# Altium PCB PCB1.PcbDoc
Units mil, origin at the board's own origin, x right, y up, seen from the top; angles counter-clockwise.
Board outline 3937 x 3937.01 mil, 4 copper layers (Top Layer, GND_02, PWR_03, Bottom Layer), stack 23.756 mil thick; 235 components, 114 nets, 583 pads, 0 vias.
Unrouted connection lines stored in the file: 454.
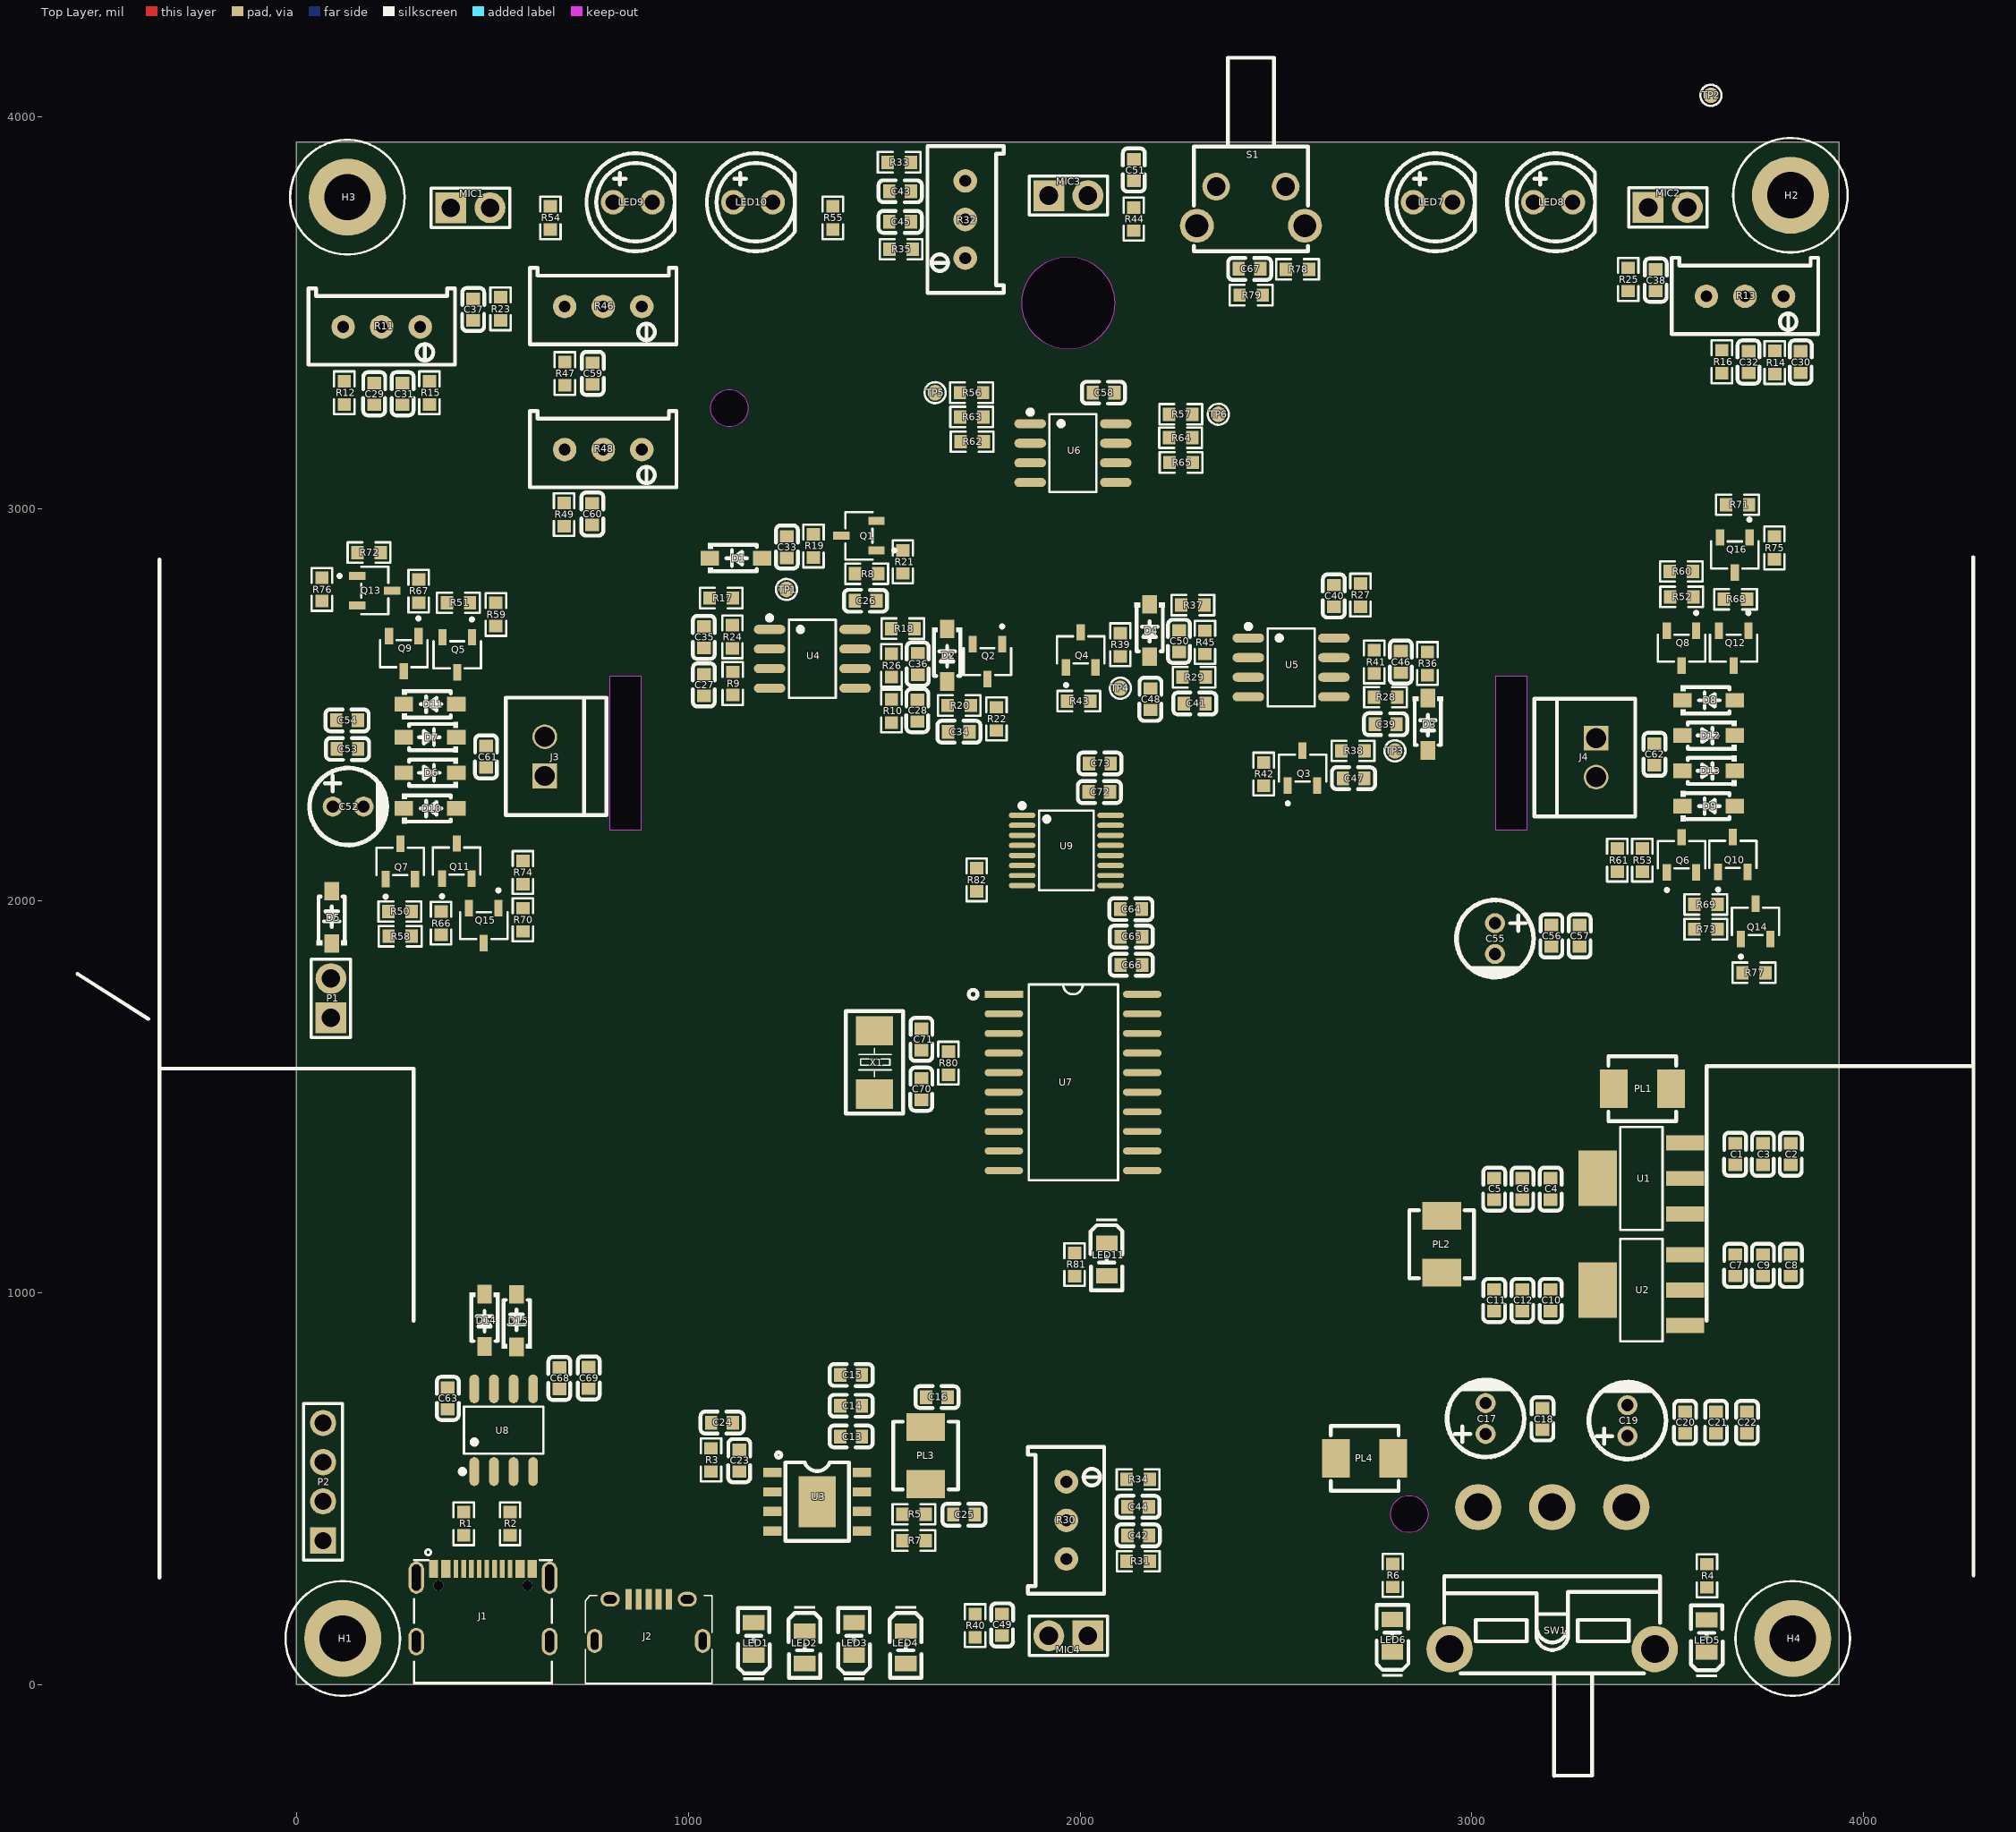
[diagram p0: Top Layer view]
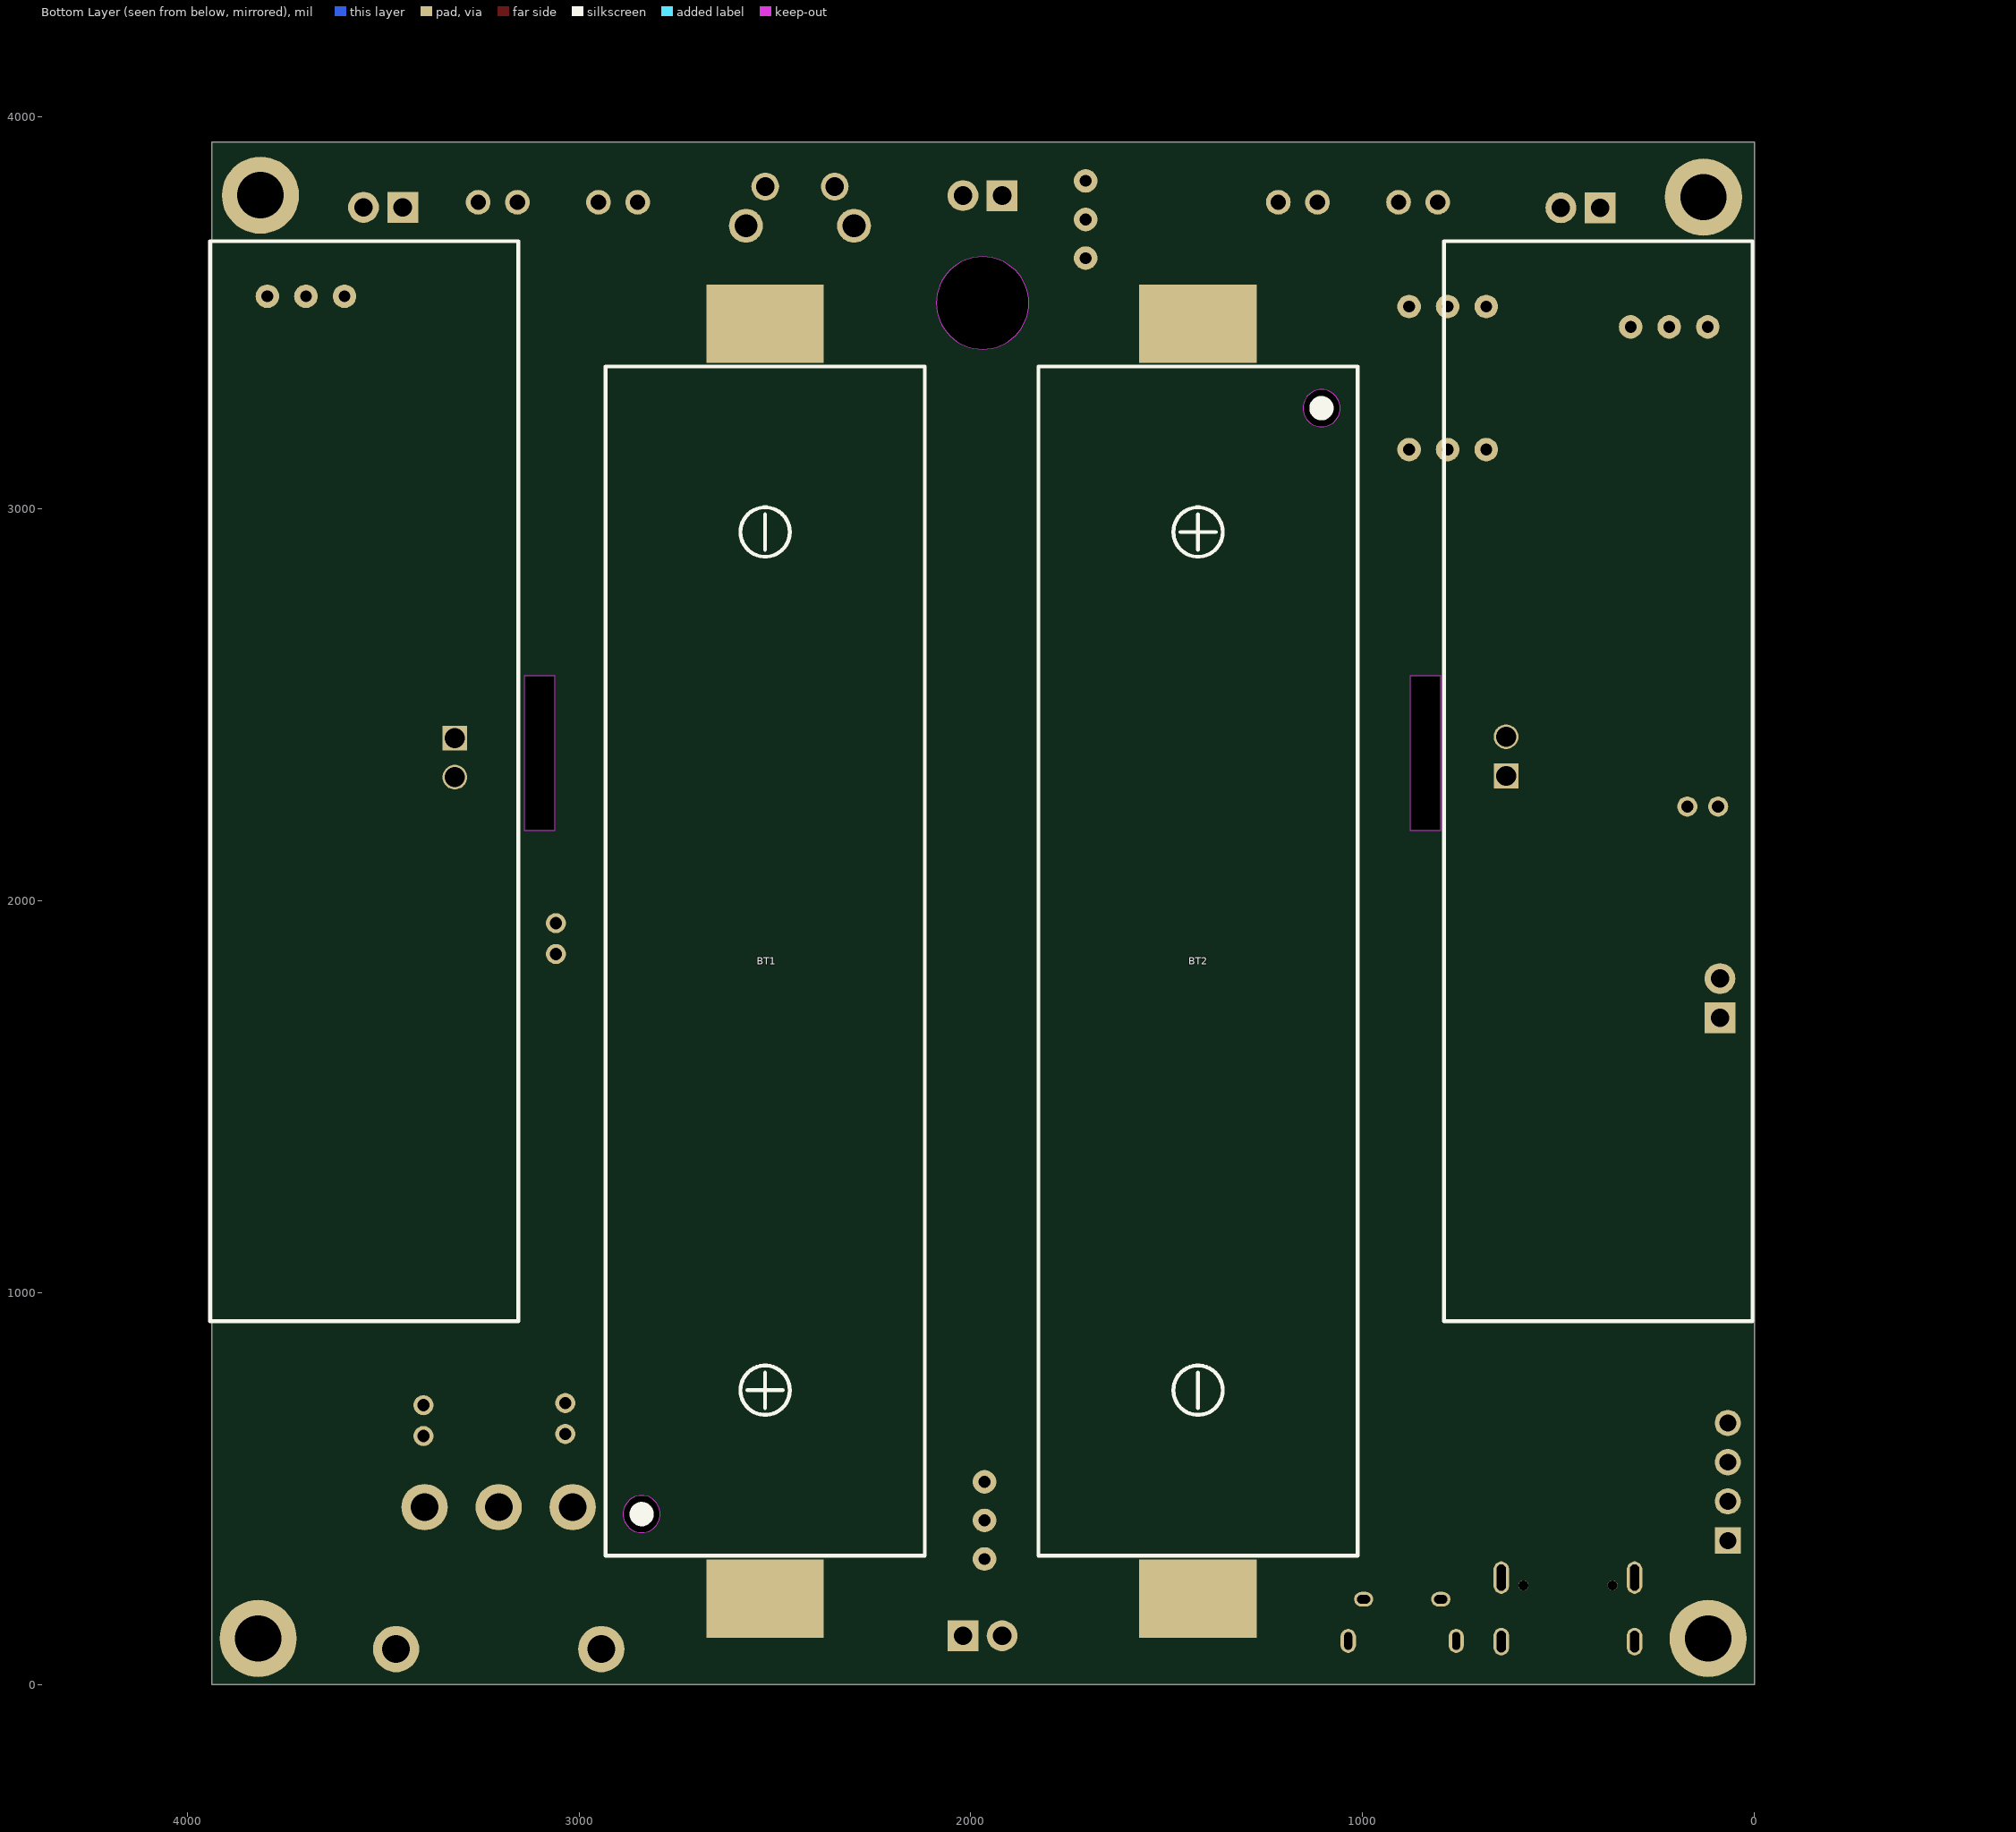
[diagram p1: Bottom Layer view, seen from below]

## Layer stack, top to bottom
Top Solder: solder mask 0.4, Solder Resist, Dk 3.5
Top Layer: signal copper 1.4
Dielectric 2: prepreg 2.8, PP-006, Dk 4.1
GND_02: signal copper 1.378
Dielectric 3: prepreg 2.8, PP-006, Dk 4.1
PWR_03: signal copper 1.378
Dielectric 1: dielectric 12.6, FR-4, Dk 4.8
Bottom Layer: signal copper 1.4
Bottom Solder: solder mask 0.4, Solder Resist, Dk 3.5

## Board outline
0,0 0,3937.01 3937,3937.01 3937,0
cut-out: 1970,3407.89 cw(c1970,3526) 1851.89,3526 cw(c1970,3526) 1970,3644.11 cw(c1970,3526) 2088.11,3526 cw(c1970,3526)
cut-out: 3061.56,2180.15 3061.56,2573.85 3140.3,2573.85 3140.3,2180.15
cut-out: 800.56,2180.15 800.56,2573.85 879.3,2573.85 879.3,2180.15

## Design rules (kind name [scope] priority, off if disabled: settings)
Clearance [All] p1: gap=10 ignorepadtopadclearanceinfootprint=TRUE except(0: Arc-Hole Track-Hole SMDPad-Hole THPad-Hole Via-Hole Fill-Hole Poly-Hole Region-Hole Text-Hole)
DiffPairsRouting [All] p1: maxlimit=10 minlimit=10 mostfreqgap=10 toplayer_minwidth=15 toplayer_maxwidth=15 toplayer_prefwidth=15 midlayer1_minwidth=15 midlayer1_maxwidth=15 midlayer1_prefwidth=15 midlayer2_minwidth=15 midlayer2_maxwidth=15 midlayer2_prefwidth=15 bottomlayer_minwidth=15 bottomlayer_maxwidth=15 bottomlayer_prefwidth=15 maxuncoupledlength=500
PolygonConnect [All] p1: connectstyle=Relief reliefconductorwidth=10 reliefentries=4 polygonreliefangle="90 Angle" airgapwidth=10
RoutingVias [All] p1: holewidth=28 width=50 viastyle="Through Hole" minholewidth=28 minwidth=50 maxholewidth=28 maxwidth=50
SolderMaskExpansion [All] p1: expansion=4 istentingtop=FALSE
Width [All] p1: maxlimit=10 minlimit=10 preferedwidth=10
29 further rules are at their usual default settings.

## Classes and differential pairs
component class 03-MCU: C52 C53 C54 C55 C56 C57 C58 C59 C60 C61 C62 C63 C64 C65 C66 C67 C68 C69 C70 C71 C72 C73 D5 D6 D7 D8 D9 D10 D11 D12 D13 D14 D15 J3 J4 LED7 LED8 LED9 LED10 LED11 P1 P2 Q5 Q6 Q7 Q8 Q9 Q10 Q11 Q12 Q13 Q14 Q15 Q16 R46 R47 R48 R49 R50 R51 R52 R53 R54 R55 R56 R57 R58 R59 R60 R61 R62 R63 R64 R65 R66 R67 R68 R69 R70 R71 R72 R73 R74 R75 R76 R77 R78 R79 R80 R81 R82 S1 TP5 TP6 U6 U7 U8 U9 X1
component class 02-MIC: C26 C27 C28 C29 C30 C31 C32 C33 C34 C35 C36 C37 C38 C39 C40 C41 C42 C43 C44 C45 C46 C47 C48 C49 C50 C51 D1 D2 D3 D4 MIC1 MIC2 MIC3 MIC4 Q1 Q2 Q3 Q4 R8 R9 R10 R11 R12 R13 R14 R15 R16 R17 R18 R19 R20 R21 R22 R23 R24 R25 R26 R27 R28 R29 R30 R31 R32 R33 R34 R35 R36 R37 R38 R39 R40 R41 R42 R43 R44 R45 TP1 TP2 TP3 TP4 U4 U5
component class 01-POWER: BT1 BT2 C1 C2 C3 C4 C5 C6 C7 C8 C9 C10 C11 C12 C13 C14 C15 C16 C17 C18 C19 C20 C21 C22 C23 C24 C25 H1 H2 H3 H4 J1 J2 LED1 LED2 LED3 LED4 LED5 LED6 PL1 PL2 PL3 PL4 R1 R2 R3 R4 R5 R6 R7 SW1 U1 U2 U3
differential pair D: +D_P -D_N

## Components (designator, comment, footprint, x,y, rotation, side; value= is the part's Value field where it differs from the comment)
BT1 "18650" BAT-SMD-18650 2525,1846.5 r0 bottom locked
BT2 "18650" BAT-SMD-18650 1420,1846.5 r180 bottom locked
C1 "10uF" CAP-SMD-0603 3672,1354 r90 top
C2 "1uF" CAP-SMD-0603 3814,1354 r90 top
C3 "10uF" CAP-SMD-0603 3743,1354 r90 top
C4 "22uF" CAP-SMD-0603 3201,1265 r90 top
C5 "1uF" CAP-SMD-0603 3057,1265 r90 top
C6 "100nF" CAP-SMD-0603 3129,1265 r90 top
C7 "10uF" CAP-SMD-0603 3672,1070.44 r90 top
C8 "1uF" CAP-SMD-0603 3814,1070.44 r90 top
C9 "10uF" CAP-SMD-0603 3743,1070.44 r90 top
C10 "22uF" CAP-SMD-0603 3201,981 r90 top
C11 "1uF" CAP-SMD-0603 3057,981 r90 top
C12 "100nF" CAP-SMD-0603 3129,981 r90 top
C13 "22uF" CAP-SMD-0603 1415.44,633.5 r180 top
C14 "22uF" CAP-SMD-0603 1415.44,712 r180 top
C15 "22uF" CAP-SMD-0603 1415.44,790.5 r180 top
C16 "22uF" CAP-SMD-0603 1634.56,734 r180 top
C17 "100uF" CAPA-TH-5020-P2.0 3035,679.37 r90 top
C18 "100nF" CAP-SMD-0603 3180,678 r270 top
C19 "100uF" CAPA-TH-5020-P2.0 3397,674 r90 top
C20 "22uF" CAP-SMD-0603 3544,669 r270 top
C21 "1uF" CAP-SMD-0603 3623,669 r270 top
C22 "100nF" CAP-SMD-0603 3702,669 r270 top
C23 "10uF" CAP-SMD-0603 1130,571.56 r270 top
C24 "10uF" CAP-SMD-0603 1086,669 r180 top
C25 "22uF" CAP-SMD-0603 1703.56,434 r180 top
C26 "100nF" CAP-SMD-0603 1452.6,2765.98 r0 top
C27 "82nF_NC" CAP-SMD-0603 1039.6,2550.98 r270 top
C28 "82nF_NC" CAP-SMD-0603 1584.6,2485.42 r270 top
C29 "82nF_NC" CAP-SMD-0603 198.36,3294 r270 top
C30 "82nF_NC" CAP-SMD-0603 3839,3375 r270 top
C31 "10uF" CAP-SMD-0603 270.77,3294 r270 top
C32 "10uF" CAP-SMD-0603 3706,3375 r270 top
C33 "10uF" CAP-SMD-0603 1251.6,2902.98 r270 top
C34 "10uF" CAP-SMD-0603 1690.6,2431.98 r180 top
C35 "82nF" CAP-SMD-0603 1039.6,2672.98 r90 top
C36 "82nF" CAP-SMD-0603 1585.6,2604.98 r90 top
C37 "10uF" CAP-SMD-0603 451,3509 r270 top
C38 "10uF" CAP-SMD-0603 3469,3584 r270 top
C39 "82nF_NC" CAP-SMD-0603 2780.04,2450.98 r0 top
C40 "100nF" CAP-SMD-0603 2647.6,2778.53 r90 top
C41 "82nF_NC" CAP-SMD-0603 2292.6,2503.98 r180 top
C42 "82nF_NC" CAP-SMD-0603 2148.56,381 r0 top
C43 "82nF_NC" CAP-SMD-0603 1540.56,3811.08 r180 top
C44 "10uF" CAP-SMD-0603 2148,454 r0 top
C45 "10uF" CAP-SMD-0603 1540.56,3733 r180 top
C46 "82nF" CAP-SMD-0603 2818.6,2609.98 r90 top
C47 "10uF" CAP-SMD-0603 2698.04,2312.98 r0 top
C48 "10uF" CAP-SMD-0603 2179.6,2514.98 r90 top
C49 "10uF" CAP-SMD-0603 1801,153 r90 top
C50 "82nF" CAP-SMD-0603 2252.6,2662.98 r90 top
C51 "10uF" CAP-SMD-0603 2137,3865 r270 top
C52 "100uF" CAPA-TH-5020-P2.0 132,2241 r0 top
C53 "10uF" CAP-SMD-0603 130,2388 r180 top
C54 "100nF" CAP-SMD-0603 129,2461 r180 top
C55 "100uF" CAPA-TH-5020-P2.0 3059,1904 r270 top
C56 "10uF" CAP-SMD-0603 3203,1911 r90 top
C57 "100nF" CAP-SMD-0603 3275,1911 r90 top
C58 "100nF" CAP-SMD-0603 2060,3297 r0 top
C59 "100nF" CAP-SMD-0603 756,3346 r270 top
C60 "100nF" CAP-SMD-0603 755,2987 r270 top
C61 "100nF" CAP-SMD-0603 484,2368 r90 top
C62 "100nF" CAP-SMD-0603 3466,2374 r270 top
C63 "100nF" CAP-SMD-0603 386,730.44 r270 top
C64 "10uF" CAP-SMD-0603 2130,1979 r0 top
C65 "1uF" CAP-SMD-0603 2131,1909 r0 top
C66 "100nF" CAP-SMD-0603 2131,1837 r0 top
C67 "100nF" CAP-SMD-0603 2432.44,3613 r180 top
C68 "100nF" CAP-SMD-0603 671,782 r90 top
C69 "10uF" CAP-SMD-0603 746,783 r90 top
C70 "12pF" CAP-SMD-0603 1595,1520 r90 top
C71 "12pF" CAP-SMD-0603 1595,1646.56 r270 top
C72 "100nF" CAP-SMD-0603 2049,2278 r180 top
C73 "20uF" CAP-SMD-0603 2050.44,2351 r180 top
D1 "1N4007" SOD-123-P3.4 1121.6,2874.98 r0 top
D2 "1N4007" SOD-123-P3.4 1660.6,2626.98 r270 top
D3 "1N4007" SOD-123-P3.4 2887.6,2450.98 r270 top
D4 "1N4007" SOD-123-P3.4 2177.6,2689.98 r270 top
D5 "SS14" SOD-123-P3.4 90,1958 r90 top
D6 "SS14" SOD-123-P3.4 341,2327 r180 top
D7 "SS14" SOD-123-P3.4 341,2418 r180 top
D8 "SS14" SOD-123-P3.4 3604,2512 r0 top
D9 "SS14" SOD-123-P3.4 3604,2242 r0 top
D10 "SS14" SOD-123-P3.4 341,2236 r0 top
D11 "SS14" SOD-123-P3.4 341,2502 r0 top
D12 "SS14" SOD-123-P3.4 3604,2422 r180 top
D13 "SS14" SOD-123-P3.4 3604,2332 r180 top
D14 "1N4007" SOD-123-P3.4 480,929.9 r270 top
D15 "1N4007" SOD-123-P3.4 562,929 r90 top
H1 "M3" M3-5030-0.3 118.11,118.11 r0 top locked
H2 "M3" M3-5030-0.3 3813,3801 r0 top locked
H3 "M3" M3-5030-0.3 130,3796 r0 top locked
H4 "M3" M3-5030-0.3 3818.9,118.11 r0 top locked
J1 "TYPE-C-16P" TYPE-C-SMD-16P 476,203 r0 top
J2 "Microusb" MICROUSB-SMD-5P 899,165 r0 top
J3 "CONN-2P" CONN-TH-CDS-1X2P-P2.54 634,2369 r90 top
J4 "CONN-2P" CONN-TH-CDS-1X2P-P2.54 3317,2366 r270 top
LED1 "25%" LED-SMD-0805 1167,117 r90 top
LED2 "50%" LED-SMD-0805 1297,95.73 r270 top
LED3 "75%" LED-SMD-0805 1423,117 r90 top
LED4 "100%" LED-SMD-0805 1555,95.73 r270 top
LED5 "LED" LED-SMD-0805 3599,124.35 r90 top
LED6 "LED" LED-SMD-0805 2797,125.35 r90 top
LED7 "LED" LED-TH-D5.0-P2.54 2900.3,3783 r0 top
LED8 "LED" LED-TH-D5.0-P2.54 3207.3,3783 r0 top
LED9 "LED" LED-TH-D5.0-P2.54 858.3,3783 r0 top
LED10 "LED" LED-TH-D5.0-P2.54 1165.3,3783 r0 top
LED11 "LED" LED-SMD-0805 2068,1085 r270 top
MIC1 "MIC" CONN-TH-1X2P-P2.54_2 445,3805 r0 top locked
MIC2 "MIC" CONN-TH-1X2P-P2.54_2 3501,3806 r0 top locked
MIC3 "MIC" CONN-TH-1X2P-P2.54_2 1971,3836 r0 top
MIC4 "MIC" CONN-TH-1X2P-P2.54_2 1969,89 r180 top locked
P1 "CONN-HDR-1x2P" CONN-TH-1X2P-P2.54 88,1752 r90 top
P2 "CONN-HDR-1x4P" CONN-TH-1X4P-P2.54 68,518 r90 top
PL1 "1206_0R_NC" PL-SMD_4.4X4.2-P3.7 3435,1521 r180 top
PL2 "1206_0R_NC" PL-SMD_4.4X4.2-P3.7 2923,1124 r270 top
PL3 "1uH" PL-SMD_4.4X4.2-P3.7 1606,584.8 r90 top
PL4 "1206_0R" PL-SMD_4.4X4.2-P3.7 2726.2,578 r0 top
Q1 "SS8050" SOT-23-3-LP2.28-P1.91 1435.6,2931.98 r0 top
Q2 "SS8050" SOT-23-3-LP2.28-P1.91 1763.6,2610.67 r90 top
Q3 "SS8050" SOT-23-3-LP2.28-P1.91 2567.6,2338.98 r270 top
Q4 "SS8050" SOT-23-3-LP2.28-P1.91 2001.6,2640.98 r270 top
Q5 "SS8550" SOT-23-3-LP2.28-P1.91 410.4,2628.32 r90 top
Q6 "SS8550" SOT-23-3-LP2.28-P1.91 3535,2118 r270 top
Q7 "SS8550" SOT-23-3-LP2.28-P1.91 265,2101 r270 top
Q8 "SS8550" SOT-23-3-LP2.28-P1.91 3535,2645 r90 top
Q9 "SS8050" SOT-23-3-LP2.28-P1.91 274,2631 r90 top
Q10 "SS8050" SOT-23-3-LP2.28-P1.91 3666,2119 r270 top
Q11 "SS8050" SOT-23-3-LP2.28-P1.91 409,2102 r270 top
Q12 "SS8050" SOT-23-3-LP2.28-P1.91 3668,2645 r90 top
Q13 "SS8050" SOT-23-3-LP2.28-P1.91 200,2792 r180 top
Q14 "SS8050" SOT-23-3-LP2.28-P1.91 3724,1948 r270 top
Q15 "SS8050" SOT-23-3-LP2.28-P1.91 478,1937 r90 top
Q16 "SS8050" SOT-23-3-LP2.28-P1.91 3671,2883 r90 top
R1 "5.1K" RES-SMD-0603 427,410.66 r270 top